# KiCad board RoRo60.kicad_pcb
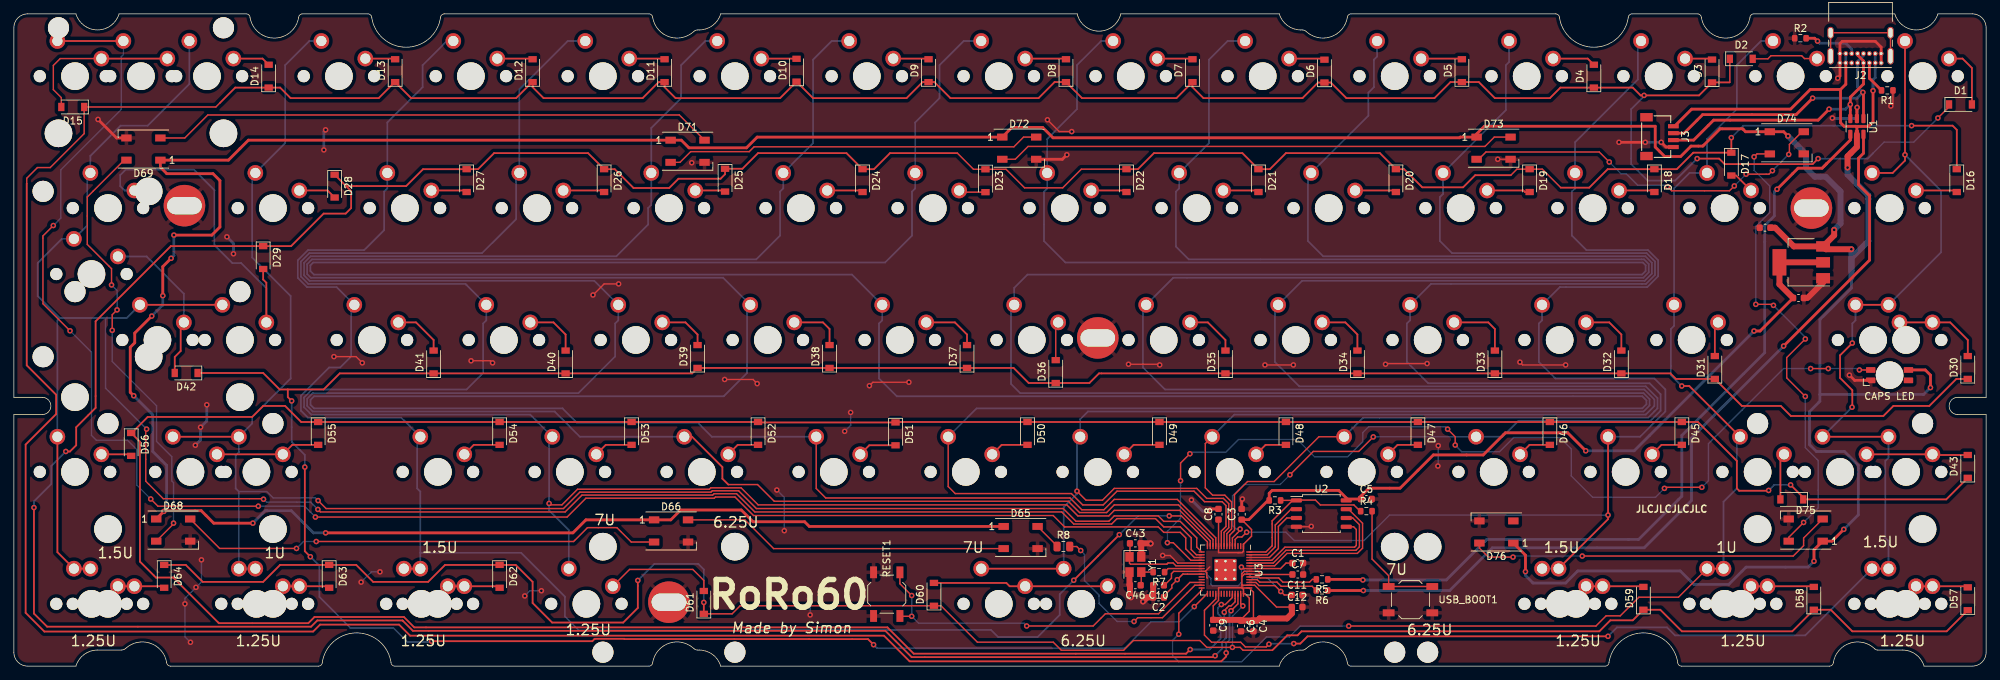
[diagram p0: board, top side]
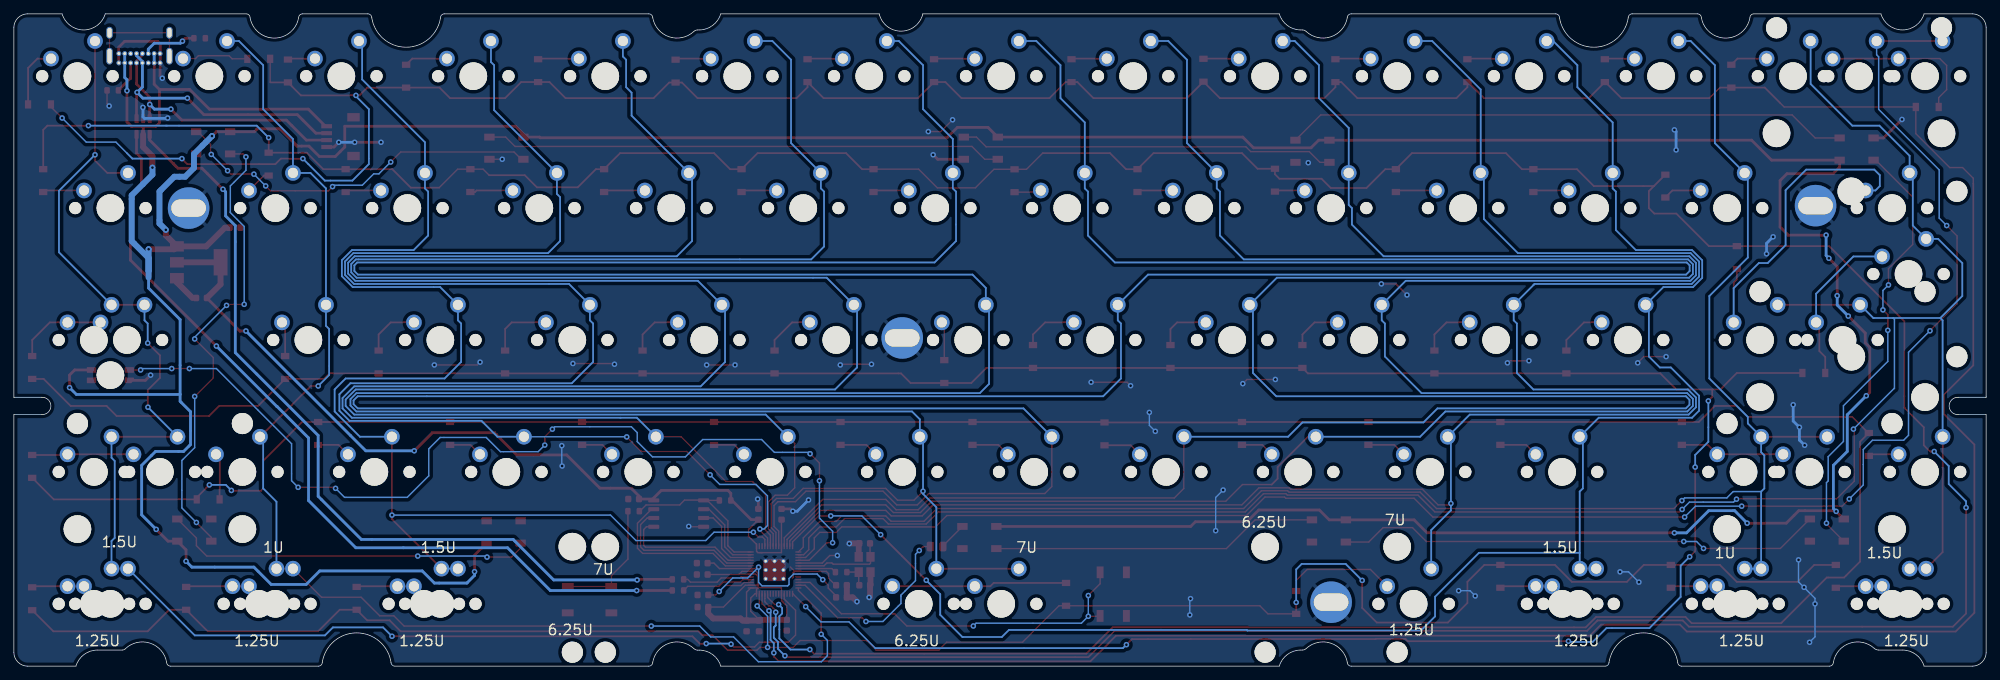
[diagram p1: board, bottom side, seen from below]

Outline 284.7 x 94.2 mm; copper layers: Top, Bottom. Coordinates in mm from the lower left corner of the outline.
Outline path: 0,36.33 0,2 arc(0.59,0.59) 2,0 8.96,0 arc(10.13,1.68) 12.08,2.33 15.53,2.33 arc(15.88,2.39) 16.18,2.59 arc(19.71,3.31) 22.05,0.57 arc(22.22,0.17) 22.62,0 43.97,0 arc(44.36,0.16) 44.52,0.56 arc(49.48,4.8) 54.44,0.56 arc(54.6,0.16) 55,0 91.65,0 arc(92.06,0.17) 92.23,0.57 arc(94.61,3.32) 98.17,2.53 arc(98.39,2.38) 98.66,2.33 98.93,2.33 arc(100.87,1.68) 102.04,0 182.65,0 arc(183.82,1.67) 185.76,2.31 186.02,2.31 arc(186.29,2.37) 186.53,2.53 arc(190.09,3.32) 192.48,0.57 arc(192.64,0.17) 193.05,0 229.7,0 arc(230.1,0.16) 230.26,0.56 arc(235.22,4.8) 240.18,0.56 arc(240.34,0.16) 240.73,0 262.08,0 arc(262.48,0.17) 262.65,0.57 arc(265.05,3.33) 268.62,2.51 arc(268.82,2.37) 269.05,2.33 272.63,2.33 arc(274.57,1.68) 275.74,0 282.7,0 arc(284.11,0.59) 284.7,2 284.7,36.33 280.61,36.33 arc(279.36,37.58) 280.61,38.83 284.7,38.83 284.7,92.2 arc(284.11,93.61) 282.7,94.2 277.74,94.2 arc(274.62,91.87) 271.51,94.2 251.17,94.2 arc(250.77,94.03) 250.6,93.63 arc(247.1,90.7) 243.6,93.63 arc(243.43,94.03) 243.03,94.2 233.61,94.2 arc(233.2,94.03) 233.03,93.63 arc(228.07,89.38) 223.12,93.63 arc(222.95,94.03) 222.55,94.2 193.05,94.2 arc(192.64,94.03) 192.48,93.63 arc(190.11,90.89) 186.57,91.64 arc(186.31,91.81) 186,91.87 185.78,91.87 arc(183.83,92.52) 182.66,94.2 159.79,94.2 arc(156.64,91.7) 153.49,94.2 102.04,94.2 arc(100.87,92.52) 98.93,91.87 98.67,91.87 arc(98.39,91.82) 98.16,91.66 arc(94.61,90.88) 92.23,93.63 arc(92.06,94.03) 91.65,94.2 62.16,94.2 arc(61.75,94.03) 61.58,93.63 arc(56.62,89.38) 51.67,93.63 arc(51.5,94.03) 51.1,94.2 41.67,94.2 arc(41.27,94.03) 41.1,93.63 arc(37.6,90.7) 34.1,93.63 arc(33.93,94.03) 33.53,94.2 15.19,94.2 arc(12.08,91.87) 8.96,94.2 2,94.2 arc(0.59,93.61) 0,92.2 0,38.83 4.09,38.83 arc(5.34,37.58) 4.09,36.33 0,36.33
Stack: Top 0.035mm / dielectric 1.51mm FR4 er 4.5 / Bottom 0.035mm

## Placement (name value [footprint] x y rotation side)
C1  100n  [C_0603_1608Metric]  185.33 14.88 0 top
C2  100n  [C_0603_1608Metric]  165.23 9.93 180 top
C3  100n  [C_0603_1608Metric]  177.23 21.93 90 top
C4  100n  [C_0603_1608Metric]  178.93 5.81 270 top
C5  100n  [C_0603_1608Metric]  195.23 24.13 0 top
C6  100n  [C_0603_1608Metric]  177.13 5.81 270 top
C7  100n  [C_0603_1608Metric]  185.33 13.23 0 top
C8  100n  [C_0603_1608Metric]  173.88 21.93 90 top
C9  100n  [C_0603_1608Metric]  173.13 5.91 270 top
C10  100n  [C_0603_1608Metric]  165.23 11.68 180 top
C11  1u  [C_0603_1608Metric]  185.23 10.28 0 top
C12  1u  [C_0603_1608Metric]  185.23 8.53 0 top
C43  22p  [C_0603_1608Metric]  161.88 17.73 0 top
C44  22u  [C_0603_1608Metric]  252.79 63.32 180 top
C45  22u  [C_0603_1608Metric]  257.61 53.17 0 top
C46  22p  [C_0603_1608Metric]  161.88 11.68 180 top
CAPS LED  MX_SK6812MINI-E  [LED_MX_6028R]  270.76 42.02 0 top
D1  1N4148  [D_SOD-123]  281 81.12 0 top
D2  1N4148  [D_SOD-123]  249.35 87.71 0 top
D3  1N4148  [D_SOD-123]  245.13 85.95 90 top
D4  1N4148  [D_SOD-123]  228.08 85.2 90 top
D5  1N4148  [D_SOD-123]  209.03 85.99 90 top
D6  1N4148  [D_SOD-123]  189.18 85.93 90 top
D7  1N4148  [D_SOD-123]  170.13 85.99 90 top
D8  1N4148  [D_SOD-123]  151.88 85.99 90 top
D9  1N4148  [D_SOD-123]  132.03 85.99 90 top
D10  1N4148  [D_SOD-123]  112.98 86.06 90 top
D11  1N4148  [D_SOD-123]  93.93 85.99 90 top
D12  1N4148  [D_SOD-123]  74.88 85.99 90 top
D13  1N4148  [D_SOD-123]  55.04 85.99 90 top
D14  1N4148  [D_SOD-123]  36.78 85.2 90 top
D15  1N4148  [D_SOD-123]  8.5 80.75 180 top
D16  1N4148  [D_SOD-123]  280.46 70.12 270 top
D17  1N4148  [D_SOD-123]  247.92 72.5 270 top
D18  1N4148  [D_SOD-123]  236.81 70.12 270 top
D19  1N4148  [D_SOD-123]  218.8 70.12 270 top
D20  1N4148  [D_SOD-123]  199.5 70.12 270 top
D21  1N4148  [D_SOD-123]  179.66 70.12 270 top
D22  1N4148  [D_SOD-123]  160.61 70.12 270 top
D23  1N4148  [D_SOD-123]  140.25 70.1 270 top
D24  1N4148  [D_SOD-123]  122.51 70.12 270 top
D25  1N4148  [D_SOD-123]  102.66 70.18 270 top
D26  1N4148  [D_SOD-123]  85.2 70.12 270 top
D27  1N4148  [D_SOD-123]  65.36 70.12 270 top
D28  1N4148  [D_SOD-123]  46.31 69.32 270 top
D29  1N4148  [D_SOD-123]  35.99 59.01 270 top
D30  1N4148  [D_SOD-123]  282.05 43.13 90 top
D31  1N4148  [D_SOD-123]  245.54 43.13 90 top
D32  1N4148  [D_SOD-123]  232.04 43.92 90 top
D33  1N4148  [D_SOD-123]  213.79 43.92 90 top
D34  1N4148  [D_SOD-123]  193.94 43.92 90 top
D35  1N4148  [D_SOD-123]  174.89 43.92 90 top
D36  1N4148  [D_SOD-123]  150.39 42.54 90 top
D37  1N4148  [D_SOD-123]  137.59 44.72 90 top
D38  1N4148  [D_SOD-123]  117.74 44.72 90 top
D39  1N4148  [D_SOD-123]  98.69 44.72 90 top
D40  1N4148  [D_SOD-123]  79.64 43.92 90 top
D41  1N4148  [D_SOD-123]  60.59 43.92 90 top
D42  1N4148  [D_SOD-123]  24.88 42.34 180 top
D43  1N4148  [D_SOD-123]  282.05 28.84 90 top
D44  1N4148  [D_SOD-123]  256.65 24.08 180 top
D45  1N4148  [D_SOD-123]  240.78 33.61 270 top
D46  1N4148  [D_SOD-123]  221.73 33.61 270 top
D47  1N4148  [D_SOD-123]  202.68 33.61 270 top
D48  1N4148  [D_SOD-123]  183.63 33.61 270 top
D49  1N4148  [D_SOD-123]  165.37 33.61 270 top
D50  1N4148  [D_SOD-123]  146.32 33.61 270 top
D51  1N4148  [D_SOD-123]  127.27 33.54 270 top
D52  1N4148  [D_SOD-123]  107.43 33.61 270 top
D53  1N4148  [D_SOD-123]  89.17 33.61 270 top
D54  1N4148  [D_SOD-123]  70.12 33.61 270 top
D55  1N4148  [D_SOD-123]  43.93 33.61 270 top
D56  1N4148  [D_SOD-123]  16.94 32.02 270 top
D57  1N4148  [D_SOD-123]  282.05 9.73 90 top
D58  1N4148  [D_SOD-123]  259.83 9.79 90 top
D59  1N4148  [D_SOD-123]  235.22 9.79 90 top
D60  1N4148  [D_SOD-123]  132.82 10.37 90 top
D61  1N4148  [D_SOD-123]  99.59 9.2 90 top
D62  1N4148  [D_SOD-123]  70.12 12.97 270 top
D63  1N4148  [D_SOD-123]  45.51 12.97 270 top
D64  1N4148  [D_SOD-123]  21.7 12.97 270 top
D65  WS2812B  [LED_WS2812B_PLCC4_5.0x5.0mm_P3.2mm]  145.33 18.57 0 top
D66  WS2812B  [LED_WS2812B_PLCC4_5.0x5.0mm_P3.2mm]  94.87 19.52 0 top
D68  WS2812B  [LED_WS2812B_PLCC4_5.0x5.0mm_P3.2mm]  23 19.65 0 top
D69  WS2812B  [LED_WS2812B_PLCC4_5.0x5.0mm_P3.2mm]  18.7 74.67 180 top
D71  WS2812B  [LED_WS2812B_PLCC4_5.0x5.0mm_P3.2mm]  97.25 74.36 0 top
D72  WS2812B  [LED_WS2812B_PLCC4_5.0x5.0mm_P3.2mm]  145.13 74.8 0 top
D73  WS2812B  [LED_WS2812B_PLCC4_5.0x5.0mm_P3.2mm]  213.6 74.8 0 top
D74  WS2812B  [LED_WS2812B_PLCC4_5.0x5.0mm_P3.2mm]  255.93 75.57 0 top
D75  WS2812B  [LED_WS2812B_PLCC4_5.0x5.0mm_P3.2mm]  258.65 19.65 180 top
D76  WS2812B  [LED_WS2812B_PLCC4_5.0x5.0mm_P3.2mm]  214 19.37 180 top
J2  USB_C_Receptacle_USB2.0  [USB_C_Receptacle_GCT_USB4085]  266.57 86.55 180 top
J3  ai03_ud  [JST-SR-4]  234.78 76.47 270 top
MX1  1u  [MXOnly-1U-NoLED#2]  285.05 94.72 180 bottom
MX2  1u  [MXOnly-1U-NoLED]  256.48 85.2 180 bottom
MX3  1u  [MXOnly-1U-NoLED]  237.43 85.2 180 bottom
MX4  1u  [MXOnly-1U-NoLED]  218.38 85.2 180 bottom
MX5  1u  [MXOnly-1U-NoLED]  199.33 85.2 180 bottom
MX6  1u  [MXOnly-1U-NoLED]  180.28 85.2 180 bottom
MX7  1u  [MXOnly-1U-NoLED]  161.23 85.2 180 bottom
MX8  1u  [MXOnly-1U-NoLED]  142.18 85.2 180 bottom
MX9  1u  [MXOnly-1U-NoLED]  123.13 85.2 180 bottom
MX10  1u  [MXOnly-1U-NoLED]  104.08 85.2 180 bottom
MX11  1u  [MXOnly-1U-NoLED]  85.03 85.2 180 bottom
MX12  1u  [MXOnly-1U-NoLED]  65.98 85.2 180 bottom
MX13  1u  [MXOnly-1U-NoLED]  46.93 85.2 180 bottom
MX14  1u  [MXOnly-1U-NoLED]  27.88 85.2 180 bottom
MX15  1u  [MXOnly-1U-NoLED]  8.83 85.2 180 bottom
MX16  2u  [MXOnly-2U-NoLED]  18.35 85.2 180 bottom
MX17  1u  [MXOnly-1U-NoLED]  32.64 47.1 180 bottom
MX18  1.5u  [MXOnly-1.5U-NoLED]  270.76 66.15 180 bottom
MX19  1u  [MXOnly-1U-NoLED]  246.95 66.15 180 bottom
MX20  1u  [MXOnly-1U-NoLED]  227.9 66.15 180 bottom
MX21  1u  [MXOnly-1U-NoLED]  208.85 66.15 180 bottom
MX22  1u  [MXOnly-1U-NoLED]  189.8 66.15 180 bottom
MX23  1u  [MXOnly-1U-NoLED]  170.75 66.15 180 bottom
MX24  1u  [MXOnly-1U-NoLED]  151.7 66.15 180 bottom
MX25  1u  [MXOnly-1U-NoLED]  132.65 66.15 180 bottom
MX26  1u  [MXOnly-1U-NoLED]  113.6 66.15 180 bottom
MX27  1u  [MXOnly-1U-NoLED]  94.55 66.15 180 bottom
MX28  1u  [MXOnly-1U-NoLED]  75.5 66.15 180 bottom
MX29  1u  [MXOnly-1U-NoLED]  56.45 66.15 180 bottom
MX30  1u  [MXOnly-1U-NoLED]  37.4 66.15 180 bottom
MX31  1.5u  [MXOnly-1.5U-NoLED]  13.59 66.15 180 bottom
MX32  1.25u  [MXOnly-1.25U-NoLED]  273.14 47.1 180 bottom
MX33  ISO_ENTER  [MXOnly-ISO-ReversedStabilizers-NoLED]  11.21 56.62 180 bottom
MX34  1.75u  [MXOnly-1.75U-NoLED]  268.38 47.1 180 bottom
MX35  1u  [MXOnly-1U-NoLED]  242.19 47.1 180 bottom
MX36  1u  [MXOnly-1U-NoLED]  223.14 47.1 180 bottom
MX37  1u  [MXOnly-1U-NoLED]  204.09 47.1 180 bottom
MX38  1u  [MXOnly-1U-NoLED]  185.04 47.1 180 bottom
MX39  1u  [MXOnly-1U-NoLED]  165.99 47.1 180 bottom
MX40  1u  [MXOnly-1U-NoLED]  146.94 47.1 180 bottom
MX41  1u  [MXOnly-1U-NoLED]  127.89 47.1 180 bottom
MX42  1u  [MXOnly-1U-NoLED]  108.84 47.1 180 bottom
MX43  1u  [MXOnly-1U-NoLED]  89.79 47.1 180 bottom
MX44  1u  [MXOnly-1U-NoLED]  70.74 47.1 180 bottom
MX45  1u  [MXOnly-1U-NoLED]  51.69 47.1 180 bottom
MX46  2.25u  [MXOnly-2.25U-NoLED]  20.73 47.1 180 bottom
MX47  1.25u  [MXOnly-1.25U-NoLED]  273.14 28.05 180 bottom
MX48  2.25u  [MXOnly-2.25U-NoLED]  263.62 28.05 180 bottom
MX49  1u  [MXOnly-1U-NoLED]  251.71 28.05 180 bottom
MX50  1u  [MXOnly-1U-NoLED]  232.66 28.05 180 bottom
MX51  1u  [MXOnly-1U-NoLED]  213.61 28.05 180 bottom
MX52  1u  [MXOnly-1U-NoLED]  194.56 28.05 180 bottom
MX53  1u  [MXOnly-1U-NoLED]  175.51 28.05 180 bottom
MX54  1u  [MXOnly-1U-NoLED]  156.46 28.05 180 bottom
MX55  1u  [MXOnly-1U-NoLED]  137.41 28.05 180 bottom
MX56  1u  [MXOnly-1U-NoLED]  118.36 28.05 180 bottom
MX57  1u  [MXOnly-1U-NoLED]  99.31 28.05 180 bottom
MX58  1u  [MXOnly-1U-NoLED]  80.26 28.05 180 bottom
MX59  1u  [MXOnly-1U-NoLED]  61.21 28.05 180 bottom
MX60  1.75u  [MXOnly-1.75U-NoLED]  35.02 28.05 180 bottom
MX61  1u  [MXOnly-1U-NoLED]  8.83 28.05 180 bottom
MX62  2.75u  [MXOnly-2.75U-NoLED]  25.49 28.05 180 bottom
MX63  1.25u  [MXOnly-1.25U-NoLED]  273.14 9 180 bottom
MX64  1.25u  [MXOnly-1.25U-NoLED]  249.33 9 180 bottom
MX65  1.25u  [MXOnly-1.25U-NoLED]  225.52 9 180 bottom
MX66  6.25u  [MXOnly-6.25U-ReversedStabilizers-NoLED]  154.08 9 180 bottom
MX67  1.25u  [MXOnly-1.25U-NoLED]  82.64 9 180 bottom
MX68  1.25u  [MXOnly-1.25U-NoLED]  58.83 9 180 bottom
MX69  1.25u  [MXOnly-1.25U-NoLED]  35.02 9 180 bottom
MX70  1.25u  [MXOnly-1.25U-NoLED]  11.21 9 180 bottom
MX71  1.5u  [MXOnly-1.5U-NoLED]  270.76 9 180 bottom
MX72  1u  [MXOnly-1U-NoLED]  246.95 9 180 bottom
MX73  1.5u  [MXOnly-1.5U-NoLED]  223.14 9 180 bottom
MX74  7u  [MXOnly-7U-ReversedStabilizers-NoLED]  142.18 9 180 bottom
MX75  1.5u  [MXOnly-1.5U-NoLED]  61.21 9 180 bottom
MX76  1u  [MXOnly-1U-NoLED]  37.4 9 180 bottom
MX77  1.5u  [MXOnly-1.5U-NoLED]  13.59 9 180 bottom
NOREF  -  [unnamed]  94.56 9.23 0 top
NOREF#2  -  [unnamed]  24.63 66.5 0 top
NOREF#3  -  [unnamed#2]  298.83 66.35 0 top
NOREF#4  -  [unnamed]  156.46 47.4 0 top
R1  5.1k  [R_0603_1608Metric]  270.42 83.15 180 top
R2  5.1k  [R_0603_1608Metric]  257.89 90.68 0 top
R3  DNP  [R_0603_1608Metric]  182.03 23.93 180 top
R4  1k  [R_0603_1608Metric]  195.23 22.38 0 top
R5  22  [R_0603_1608Metric]  188.83 12.53 180 top
R6  22  [R_0603_1608Metric]  188.83 10.93 180 top
R7  1k  [R_0603_1608Metric]  165.28 13.58 180 top
R8  220  [R_0805_2012Metric]  151.5 17.27 0 top
RESET1  RESET  [SW_SPST_TL3342]  126 10.4 90 top
U1  USBLC6-2SC6  [SOT-23-6]  266.04 77.94 270 top
U2  W25Q128JVS  [SOIC-8_5.23x5.23mm_P1.27mm]  188.73 22.03 0 top
U3  RP2040  [RP2040-QFN-56]  174.9 13.89 270 top
U4  AMS1117-3.3  [SOT-223-3_TabPin2]  258.01 58.32 180 top
USB_BOOT1  USB_BOOT  [SW_SPST_TL3342]  201.6 9.6 180 top
Y1  12MHz  [Crystal_SMD_3225-4Pin_3.2x2.5mm]  161.89 14.68 270 top

## Library data of the parts
C1-C10 = -: LCSC: C14663
C11 C12 = -: LCSC: C15849
C43 C46 = -: LCSC: C1653
C44 C45 = -: LCSC: C59461
CAPS LED = -: Field4: 1
D1-D64 = -: LCSC Part #: C81598
D65 D66 D68 D69 D71-D76 = -: LCSC: C2761795
J3 = -: LCSC: C160404
R1 R2 = -: LCSC: C23186
R4 R7 = -: LCSC: C21190
R5 R6 = -: LCSC: C23345
R8 = -: LCSC Part #: C17557
RESET1 USB_BOOT1 = -: LCSC: C318884
U1 = -: LCSC: C558442
U2 = -: LCSC: C97521
U3 = -: LCSC: C2040
U4 = -: LCSC: C6186
Y1 = -: LCSC: C518158; LCSCOLD: C93114

## Footprints (pads in the part's own frame, mm; a bottom-side part is the same pattern mirrored in y, then rotated)
C_0603_1608Metric
  rrect 0.9x0.95 smd: 1(-0.775,0) 2(0.775,0)
Crystal_SMD_3225-4Pin_3.2x2.5mm
  rect 1.4x1.2 smd: 1(-1.1,-0.85) 2(1.1,-0.85) 3(1.1,0.85) 4(-1.1,0.85)
D_SOD-123
  rect 0.9x1.2 smd: 1(-1.65,0) 2(1.65,0)
JST-SR-4
  rect 1.2x1.8 smd: (-2.8,0.9) (2.8,0.9)
  rect 0.6x1.55 smd: 1(-1.5,4.775) 2(-0.5,4.775) 3(0.5,4.775) 4(1.5,4.775)
LED_MX_6028R
  round 3.988 hole 3.988 unplated: (0,0)
  rrect 1.35x0.82 smd: 1(2.725,0.75) 2(2.725,-0.75) 3(-2.725,0.75) 4(-2.725,-0.75)
LED_WS2812B_PLCC4_5.0x5.0mm_P3.2mm
  rect 1.5x1 smd: 1(-2.45,1.6) 2(-2.45,-1.6) 3(2.45,-1.6) 4(2.45,1.6)
MXOnly-1.5U-NoLED
  round 1.75 hole 1.75 unplated: (-5.08,0) (5.08,0)
  round 3.988 hole 3.988 unplated: (0,0)
  round 2.25 hole 1.47: 1(-3.81,2.54) 2(2.54,5.08)
MXOnly-1.25U-NoLED
  round 1.75 hole 1.75 unplated: (-5.08,0) (5.08,0)
  round 3.988 hole 3.988 unplated: (0,0)
  round 2.25 hole 1.47: 1(-3.81,2.54) 2(2.54,5.08)
MXOnly-1.75U-NoLED
  round 1.75 hole 1.75 unplated: (-5.08,0) (5.08,0)
  round 3.988 hole 3.988 unplated: (0,0)
  round 2.25 hole 1.47: 1(-3.81,2.54) 2(2.54,5.08)
MXOnly-1U-NoLED
  round 1.75 hole 1.75 unplated: (-5.08,0) (5.08,0)
  round 3.988 hole 3.988 unplated: (0,0)
  round 2.25 hole 1.47: 1(-3.81,2.54) 2(2.54,5.08)
MXOnly-1U-NoLED#2
  round 1.75 hole 1.75 unplated: (4.445,-9.525) (14.605,-9.525)
  round 3.988 hole 3.988 unplated: (9.525,-9.525)
  round 2.25 hole 1.47: 1(5.715,-6.985) 2(12.065,-4.445)
MXOnly-2.25U-NoLED
  round 3.988 hole 3.988 unplated: (-11.906,-8.255) (0,0) (11.906,-8.255)
  round 3.048 hole 3.048 unplated: (-11.906,6.985) (11.906,6.985)
  round 1.75 hole 1.75 unplated: (-5.08,0) (5.08,0)
  round 2.25 hole 1.47: 1(-3.81,2.54) 2(2.54,5.08)
MXOnly-2.75U-NoLED
  round 3.988 hole 3.988 unplated: (-11.906,-8.255) (0,0) (11.906,-8.255)
  round 3.048 hole 3.048 unplated: (-11.906,6.985) (11.906,6.985)
  round 1.75 hole 1.75 unplated: (-5.08,0) (5.08,0)
  round 2.25 hole 1.47: 1(-3.81,2.54) 2(2.54,5.08)
MXOnly-2U-NoLED
  round 3.988 hole 3.988 unplated: (-11.906,-8.255) (0,0) (11.906,-8.255)
  round 3.048 hole 3.048 unplated: (-11.906,6.985) (11.906,6.985)
  round 1.75 hole 1.75 unplated: (-5.08,0) (5.08,0)
  round 2.25 hole 1.47: 1(-3.81,2.54) 2(2.54,5.08)
MXOnly-6.25U-ReversedStabilizers-NoLED
  round 3.048 hole 3.048 unplated: (-50,-6.985) (50,-6.985)
  round 3.988 hole 3.988 unplated: (-50,8.255) (0,0) (50,8.255)
  round 1.75 hole 1.75 unplated: (-5.08,0) (5.08,0)
  round 2.25 hole 1.47: 1(-3.81,2.54) 2(2.54,5.08)
MXOnly-7U-ReversedStabilizers-NoLED
  round 3.048 hole 3.048 unplated: (-57.15,-6.985) (57.15,-6.985)
  round 3.988 hole 3.988 unplated: (-57.15,8.255) (0,0) (57.15,8.255)
  round 1.75 hole 1.75 unplated: (-5.08,0) (5.08,0)
  round 2.25 hole 1.47: 1(-3.81,2.54) 2(2.54,5.08)
MXOnly-ISO-ReversedStabilizers-NoLED
  round 3.988 hole 3.988 unplated: (-8.255,-11.938) (-8.255,11.938) (0,0)
  round 1.75 hole 1.75 unplated: (-5.08,0) (5.08,0)
  round 3.048 hole 3.048 unplated: (6.985,-11.938) (6.985,11.938)
  round 2.25 hole 1.47: 1(-3.81,2.54) 2(2.54,5.08)
R_0603_1608Metric
  rrect 0.8x0.95 smd: 1(-0.825,0) 2(0.825,0)
R_0805_2012Metric
  rrect 1.025x1.4 smd: 1(-0.912,0) 2(0.912,0)
RP2040-QFN-56
  rrect 1.084x1.084 smd: (-0.637,0.637) (-0.637,-0.637) (0.637,0.637) (0.637,-0.637)
  rrect 0.875x0.2 smd: 1(-3.438,2.6) 2(-3.438,2.2) 3(-3.438,1.8) 4(-3.438,1.4) 5(-3.438,1) 6(-3.438,0.6) 7(-3.438,0.2) 8(-3.438,-0.2) 9(-3.438,-0.6) 10(-3.438,-1) 11(-3.438,-1.4) 12(-3.438,-1.8) 13(-3.438,-2.2) 14(-3.438,-2.6) 29(3.438,-2.6) 30(3.438,-2.2) 31(3.438,-1.8) 32(3.438,-1.4) 33(3.438,-1) 34(3.438,-0.6) 35(3.438,-0.2) 36(3.438,0.2) 37(3.438,0.6) 38(3.438,1) 39(3.438,1.4) 40(3.438,1.8) 41(3.438,2.2) 42(3.438,2.6)
  rrect 0.2x0.875 smd: 15(-2.6,-3.438) 16(-2.2,-3.438) 17(-1.8,-3.438) 18(-1.4,-3.438) 19(-1,-3.438) 20(-0.6,-3.438) 21(-0.2,-3.438) 22(0.2,-3.438) 23(0.6,-3.438) 24(1,-3.438) 25(1.4,-3.438) 26(1.8,-3.438) 27(2.2,-3.438) 28(2.6,-3.438) 43(2.6,3.438) 44(2.2,3.438) 45(1.8,3.438) 46(1.4,3.438) 47(1,3.438) 48(0.6,3.438) 49(0.2,3.438) 50(-0.2,3.438) 51(-0.6,3.438) 52(-1,3.438) 53(-1.4,3.438) 54(-1.8,3.438) 55(-2.2,3.438) 56(-2.6,3.438)
  round 0.6 hole 0.35: 57(-1.275,1.275) 57(-1.275,0) 57(-1.275,-1.275) 57(0,1.275) 57(0,0) 57(0,-1.275) 57(1.275,1.275) 57(1.275,0) 57(1.275,-1.275)
  rrect 3.2x3.2 smd: 57(0,0)
SOIC-8_5.23x5.23mm_P1.27mm
  rrect 1.6x0.6 smd: 1(-3.6,1.905) 2(-3.6,0.635) 3(-3.6,-0.635) 4(-3.6,-1.905) 5(3.6,-1.905) 6(3.6,-0.635) 7(3.6,0.635) 8(3.6,1.905)
SOT-23-6
  rrect 1.325x0.6 smd: 1(-1.137,0.95) 2(-1.137,0) 3(-1.137,-0.95) 4(1.137,-0.95) 5(1.137,0) 6(1.137,0.95)
SOT-223-3_TabPin2
  rect 2x1.5 smd: 1(-3.15,2.3) 2(-3.15,0) 3(-3.15,-2.3)
  rect 2x3.8 smd: 2(3.15,0)
SW_SPST_TL3342
  rect 1.7x1 smd: 1(-3.15,1.9) 1(3.15,1.9) 2(-3.15,-1.9) 2(3.15,-1.9)
unnamed
  round 6 hole 5x2.5: (0,0)
unnamed#2
  round 6 hole 5x2.5: (-39.351,-0.204)
USB_C_Receptacle_GCT_USB4085
  round 0.7 hole 0.4: A1(-2.975,-0.56) A4(-2.125,-0.56) A5(-1.275,-0.56) A6(-0.425,-0.56) A7(0.425,-0.56) A8(1.275,-0.56) A9(2.125,-0.56) A12(2.975,-0.56) B1(2.975,-1.91) B4(2.125,-1.91) B5(1.275,-1.91) B6(0.425,-1.91) B7(-0.425,-1.91) B8(-1.275,-1.91) B9(-2.125,-1.91) B12(-2.975,-1.91)
  oval 0.9x2.4 hole 0.6x2.1: S1(-4.325,-1.54) S1(4.325,-1.54)
  oval 0.9x1.7 hole 0.6x1.4: S1(-4.325,-4.92) S1(4.325,-4.92)

## Nets
+1V1: C1.1 C2.1 C11.1 U3.23 U3.45 U3.50
+3V3: C3.1 C4.1 C5.1 C6.1 C7.1 C8.1 C9.1 C10.1 C12.1 C45.1 R3.2 U2.8 U3.1 U3.10 U3.22 U3.33 U3.42 U3.43 U3.44 U3.48 U3.49 U4.2
GND: C1.2 C2.2 C3.2 C4.2 C5.2 C6.2 C7.2 C8.2 C9.2 C10.2 C11.2 C12.2 C43.2 C44.2 C45.2 C46.2 CAPS LED.4 D65.3 D66.3 D68.3 D69.3 D71.3 D72.3 D73.3 D74.3 D75.3 D76.3 J2.A1 J2.A12 J2.B1 J2.B12 J3.4 NOREF. NOREF#2. NOREF#3. NOREF#4. R1.1 R2.1 RESET1.1 U1.2 U2.4 U3.19 U3.57 U4.1 USB_BOOT1.1 Y1.2 Y1.4
VBUS: C44.1 CAPS LED.1 D65.1 D66.1 D68.1 D69.1 D71.1 D72.1 D73.1 D74.1 D75.1 D76.1 J2.A4 J2.A9 J2.B4 J2.B9 J3.1 U1.5 U4.3
/QSPICLK: U2.6 U3.52
/QSPISD0: U2.5 U3.53
/QSPISD2: U2.3 U3.54
/QSPISD3: U2.7 U3.51
/QSPISS: R3.1 R4.1 U2.1 U3.56
/RESET: RESET1.2 U3.26
/SQPISD1: U2.2 U3.55
/SWCLK: U3.24
/SWD: U3.25
/USB+: J2.A6 J2.B6 J3.3 U1.3
/USB-: J2.A7 J2.B7 J3.2 U1.1
/XIN: C43.1 U3.20 Y1.1
/XOUT: R7.1 U3.21
CAPS_LED: CAPS LED.3 U3.18
COL0: MX1.2 MX18.2 MX32.2 MX34.2 MX47.2 MX48.2 MX63.2 MX71.2 U3.32
COL1: MX2.2 MX19.2 MX35.2 MX49.2 MX64.2 MX72.2 U3.28
COL2: MX3.2 MX20.2 MX36.2 MX50.2 MX65.2 MX73.2 U3.4
COL3: MX4.2 MX21.2 MX37.2 MX51.2 U3.5
COL4: MX5.2 MX22.2 MX38.2 MX52.2 U3.6
COL5: MX6.2 MX23.2 MX39.2 MX53.2 U3.7
COL6: MX7.2 MX24.2 MX40.2 MX54.2 MX66.2 MX74.2 U3.8
COL7: MX8.2 MX25.2 MX41.2 MX55.2 U3.9
COL8: MX9.2 MX26.2 MX42.2 MX56.2 U3.11
COL9: MX10.2 MX27.2 MX43.2 MX57.2 U3.12
COL10: MX11.2 MX28.2 MX44.2 MX58.2 MX67.2 U3.13
COL11: MX12.2 MX29.2 MX45.2 MX59.2 MX68.2 MX75.2 U3.14
COL12: MX13.2 MX30.2 MX60.2 MX62.2 MX69.2 MX76.2 U3.15
COL13: MX14.2 MX17.2 MX31.2 MX33.2 MX46.2 MX61.2 MX70.2 MX77.2 U3.16
COL14: MX15.2 MX16.2 U3.17
Data+: R5.1 U1.4
Data-: R6.1 U1.6
LED_DATA: R8.2 U3.27
ROW0: D1.1 D2.1 D3.1 D4.1 D5.1 D6.1 D7.1 D8.1 D9.1 D10.1 D11.1 D12.1 D13.1 D14.1 D15.1 U3.40
ROW1: D16.1 D17.1 D18.1 D19.1 D20.1 D21.1 D22.1 D23.1 D24.1 D25.1 D26.1 D27.1 D28.1 D29.1 U3.39
ROW2: D30.1 D31.1 D32.1 D33.1 D34.1 D35.1 D36.1 D37.1 D38.1 D39.1 D40.1 D41.1 D42.1 U3.29
ROW3: D43.1 D44.1 D45.1 D46.1 D47.1 D48.1 D49.1 D50.1 D51.1 D52.1 D53.1 D54.1 D55.1 D56.1 U3.38
ROW4: D57.1 D58.1 D59.1 D60.1 D61.1 D62.1 D63.1 D64.1 U3.41
Net-(C46-Pad1): C46.1 R7.2 Y1.3
Net-(D1-Pad2): D1.2 MX1.1
Net-(D2-Pad2): D2.2 MX2.1
Net-(D3-Pad2): D3.2 MX3.1
Net-(D4-Pad2): D4.2 MX4.1
Net-(D5-Pad2): D5.2 MX5.1
Net-(D6-Pad2): D6.2 MX6.1
Net-(D7-Pad2): D7.2 MX7.1
Net-(D8-Pad2): D8.2 MX8.1
Net-(D9-Pad2): D9.2 MX9.1
Net-(D10-Pad2): D10.2 MX10.1
Net-(D11-Pad2): D11.2 MX11.1
Net-(D12-Pad2): D12.2 MX12.1
Net-(D13-Pad2): D13.2 MX13.1
Net-(D14-Pad2): D14.2 MX14.1
Net-(D15-Pad2): D15.2 MX15.1 MX16.1
Net-(D16-Pad2): D16.2 MX18.1
Net-(D17-Pad2): D17.2 MX19.1
Net-(D18-Pad2): D18.2 MX20.1
Net-(D19-Pad2): D19.2 MX21.1
Net-(D20-Pad2): D20.2 MX22.1
Net-(D21-Pad2): D21.2 MX23.1
Net-(D22-Pad2): D22.2 MX24.1
Net-(D23-Pad2): D23.2 MX25.1
Net-(D24-Pad2): D24.2 MX26.1
Net-(D25-Pad2): D25.2 MX27.1
Net-(D26-Pad2): D26.2 MX28.1
Net-(D27-Pad2): D27.2 MX29.1
Net-(D28-Pad2): D28.2 MX30.1
Net-(D29-Pad2): D29.2 MX17.1 MX31.1
Net-(D30-Pad2): D30.2 MX32.1 MX34.1
Net-(D31-Pad2): D31.2 MX35.1
Net-(D32-Pad2): D32.2 MX36.1
Net-(D33-Pad2): D33.2 MX37.1
Net-(D34-Pad2): D34.2 MX38.1
Net-(D35-Pad2): D35.2 MX39.1
Net-(D36-Pad2): D36.2 MX40.1
Net-(D37-Pad2): D37.2 MX41.1
Net-(D38-Pad2): D38.2 MX42.1
Net-(D39-Pad2): D39.2 MX43.1
Net-(D40-Pad2): D40.2 MX44.1
Net-(D41-Pad2): D41.2 MX45.1
Net-(D42-Pad2): D42.2 MX33.1 MX46.1
Net-(D43-Pad2): D43.2 MX47.1 MX48.1
Net-(D44-Pad2): D44.2 MX49.1
Net-(D45-Pad2): D45.2 MX50.1
Net-(D46-Pad2): D46.2 MX51.1
Net-(D47-Pad2): D47.2 MX52.1
Net-(D48-Pad2): D48.2 MX53.1
Net-(D49-Pad2): D49.2 MX54.1
Net-(D50-Pad2): D50.2 MX55.1
Net-(D51-Pad2): D51.2 MX56.1
Net-(D52-Pad2): D52.2 MX57.1
Net-(D53-Pad2): D53.2 MX58.1
Net-(D54-Pad2): D54.2 MX59.1
Net-(D55-Pad2): D55.2 MX60.1 MX62.1
Net-(D56-Pad2): D56.2 MX61.1
Net-(D57-Pad2): D57.2 MX63.1 MX71.1
Net-(D58-Pad2): D58.2 MX64.1 MX72.1
Net-(D59-Pad2): D59.2 MX65.1 MX73.1
Net-(D60-Pad2): D60.2 MX66.1 MX74.1
Net-(D61-Pad2): D61.2 MX67.1
Net-(D62-Pad2): D62.2 MX68.1 MX75.1
Net-(D63-Pad2): D63.2 MX69.1 MX76.1
Net-(D64-Pad2): D64.2 MX70.1 MX77.1
Net-(D65-Pad2): D65.2 D66.4
Net-(D65-Pad4): D65.4 R8.1
Net-(D66-Pad2): D66.2 D68.4
Net-(D68-Pad2): D68.2 D69.4
Net-(D69-Pad2): D69.2 D71.4
Net-(D71-Pad2): D71.2 D72.4
Net-(D72-Pad2): D72.2 D73.4
Net-(D73-Pad2): D73.2 D74.4
Net-(D74-Pad2): D74.2 D75.4
Net-(D75-Pad2): D75.2 D76.4
Net-(J2-PadA5): J2.A5 R1.2
Net-(J2-PadB5): J2.B5 R2.2
Net-(R4-Pad2): R4.2 USB_BOOT1.2
Net-(R5-Pad2): R5.2 U3.47
Net-(R6-Pad2): R6.2 U3.46

Pads without a net: CAPS LED 2; D76 2; J2 A8 B8 S1; U3 2 3 30 31 34 35 36 37

## Via types
v1: diameter 0.8, hole 0.4, Top to Bottom, 183 vias
